# KiCad board PETER.kicad_pcb (continued)
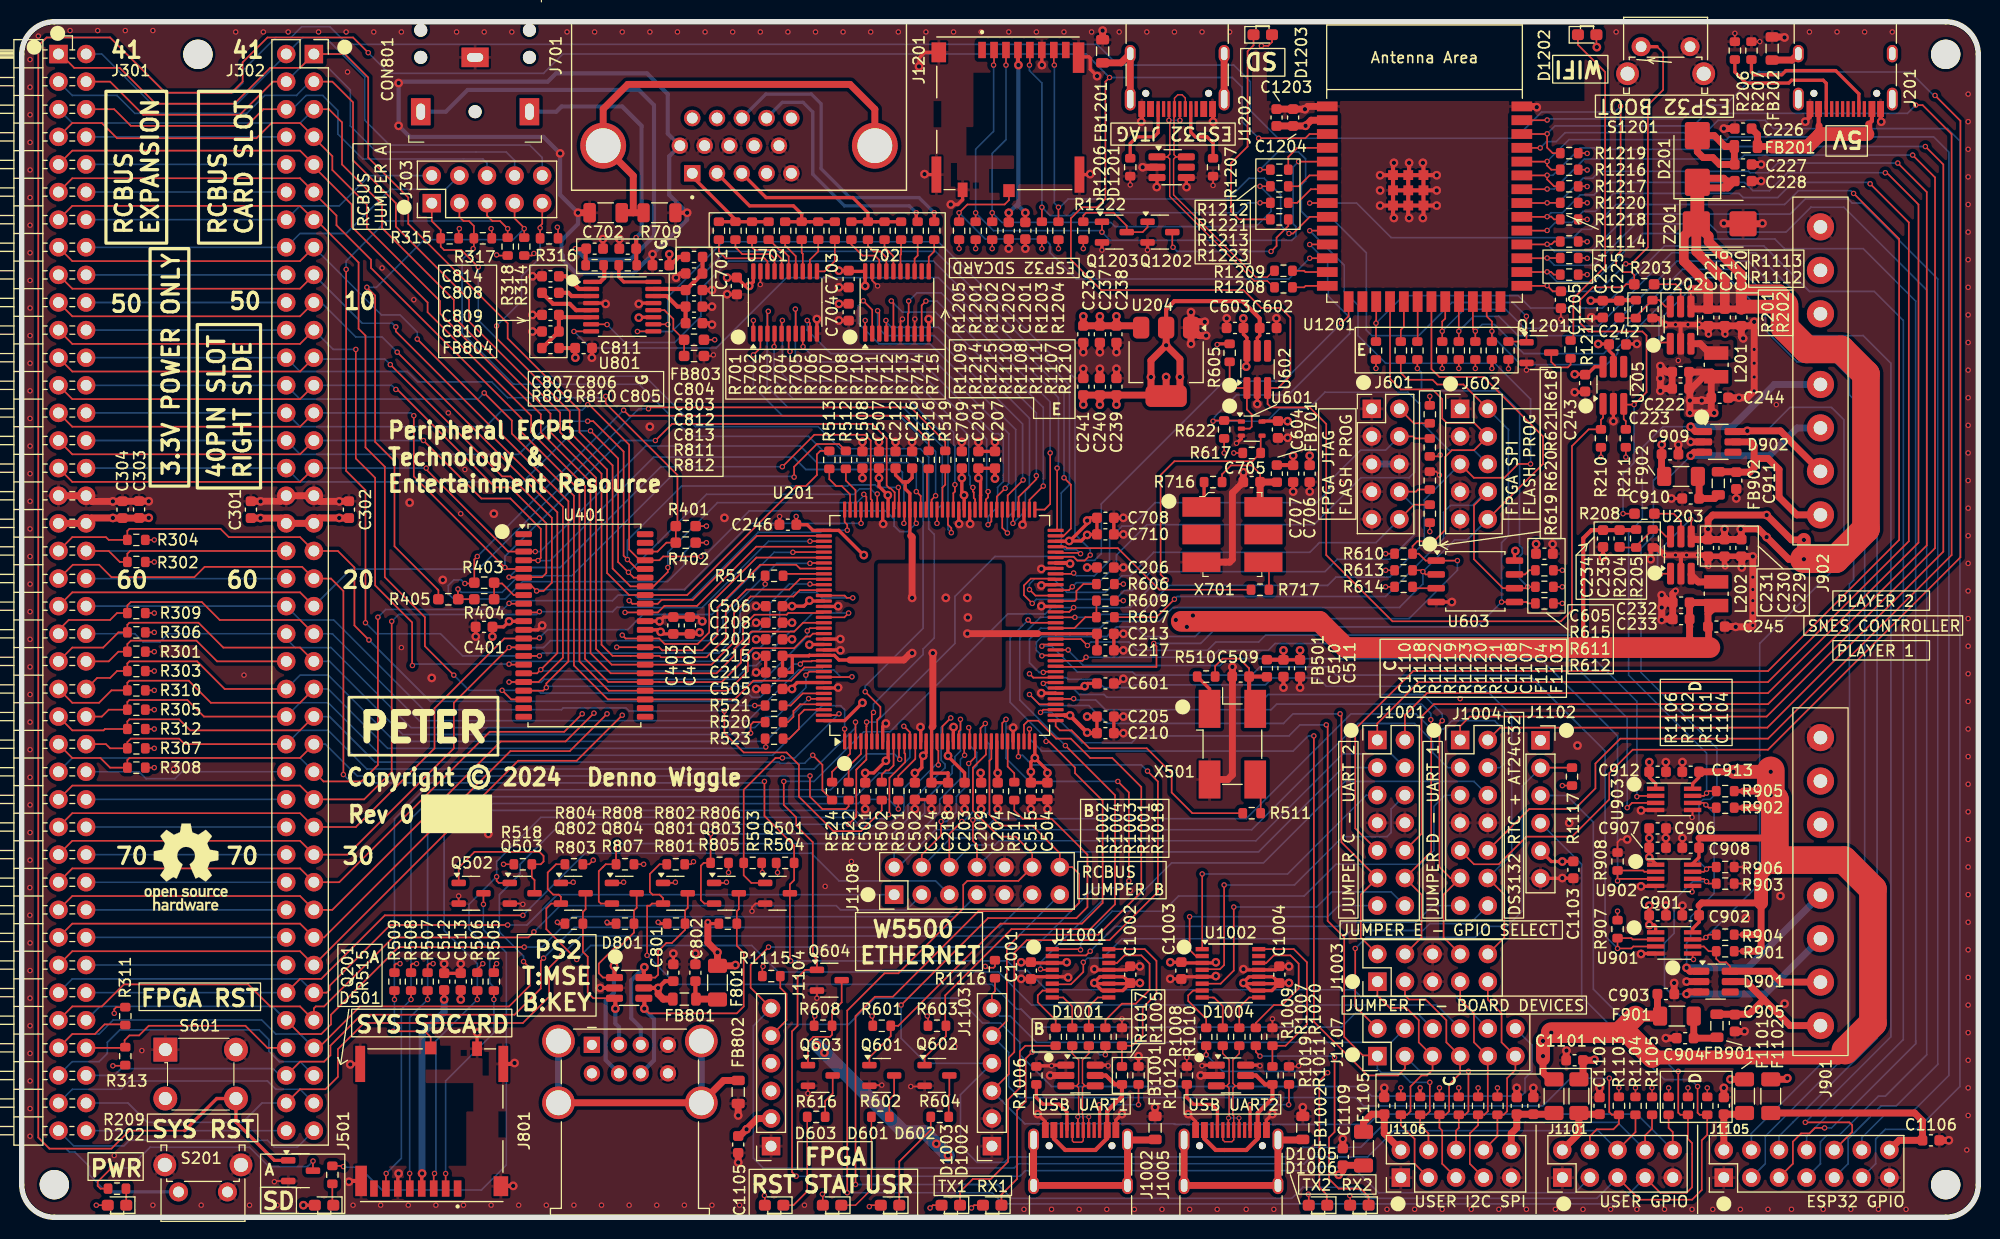
[diagram p0: board, top side]
## Placement (name value [footprint] x y rotation side) (continued)
R1004  33R  [R_0603_1608Metric]  96.65 16.6 90 top
R1005  5K1  [R_0603_1608Metric]  102.74 13.05 90 top
R1006  5K1  [R_0603_1608Metric]  93.35 13.05 90 top
R1007  1K00  [R_0603_1608Metric]  113.54 16.6 90 top
R1008  1K00  [R_0603_1608Metric]  108.97 16.6 90 top
R1009  33R  [R_0603_1608Metric]  112.02 16.6 90 top
R1010  33R  [R_0603_1608Metric]  110.49 16.6 90 top
R1011  5K1  [R_0603_1608Metric]  116.59 13.05 90 top
R1012  5K1  [R_0603_1608Metric]  107.19 13.05 90 top
R1017  5K1  [R_0603_1608Metric]  101.22 13.05 90 top
R1018  10K  [R_0603_1608Metric]  101.22 16.6 90 top
R1019  5K1  [R_0603_1608Metric]  115.06 13.05 90 top
R1020  10K  [R_0603_1608Metric]  115.06 16.6 90 top
R1101  2K00  [R_0603_1608Metric]  155.07 10.25 90 top
R1102  2K00  [R_0603_1608Metric]  153.29 10.25 90 top
R1103  10K  [R_0603_1608Metric]  146.94 10.25 90 top
R1104  10K  [R_0603_1608Metric]  148.46 10.25 90 top
R1105  10K  [R_0603_1608Metric]  149.99 10.25 90 top
R1106  10K  [R_0603_1608Metric]  151.51 10.25 90 top
R1107  10K  [R_0603_1608Metric]  135.26 79.75 270 top
R1108  10K  [R_0603_1608Metric]  132.21 79.75 270 top
R1109  10K  [R_0603_1608Metric]  124.59 79.75 270 top
R1110  10K  [R_0603_1608Metric]  130.68 79.75 270 top
R1111  10K  [R_0603_1608Metric]  133.73 79.75 270 top
R1112  10K  [R_0603_1608Metric]  142.37 86.73 0 top
R1113  10K  [R_0603_1608Metric]  142.37 88.26 0 top
R1114  10K  [R_0603_1608Metric]  142.37 89.78 0 top
R1115  10K  [R_0603_1608Metric]  68.96 22.19 180 top
R1116  10K  [R_0603_1608Metric]  89.54 22.83 90 top
R1117  10K  [R_0603_1608Metric]  142.62 40.54 270 top
R1118  10K  [R_0603_1608Metric]  126.87 10.26 90 top
R1119  10K  [R_0603_1608Metric]  130.43 10.26 90 top
R1120  10K  [R_0603_1608Metric]  133.99 10.25 90 top
R1121  10K  [R_0603_1608Metric]  135.76 10.25 90 top
R1122  10K  [R_0603_1608Metric]  128.65 10.25 90 top
R1123  10K  [R_0603_1608Metric]  132.21 10.25 90 top
R1201  4K02  [R_0603_1608Metric]  87.76 90.77 90 top
R1202  10K  [R_0603_1608Metric]  89.28 90.77 90 top
R1203  10K  [R_0603_1608Metric]  93.85 90.77 90 top
R1204  10K  [R_0603_1608Metric]  95.38 90.77 90 top
R1205  10K  [R_0603_1608Metric]  86.23 90.77 90 top
R1206  5K1  [R_0603_1608Metric]  101.98 96.61 270 top
R1207  5K1  [R_0603_1608Metric]  109.6 96.61 270 top
R1208  33R  [R_0603_1608Metric]  116.08 85.56 180 top
R1209  33R  [R_0603_1608Metric]  116.08 87.09 180 top
R1210  4K02  [R_0603_1608Metric]  136.78 79.75 90 top  (not fitted)
R1211  1K00  [R_0603_1608Metric]  142.5 79.85 270 top
R1212  33R  [R_0603_1608Metric]  115.7 96.39 180 top
R1213  33R  [R_0603_1608Metric]  115.7 93.34 180 top
R1214  33R  [R_0603_1608Metric]  126.87 79.75 270 top
R1215  33R  [R_0603_1608Metric]  128.4 79.75 270 top
R1216  10K  [R_0603_1608Metric]  142.37 96.39 0 top
R1217  10K  [R_0603_1608Metric]  142.37 94.86 0 top
R1218  10K  [R_0603_1608Metric]  142.37 91.81 0 top
R1219  10K  [R_0603_1608Metric]  142.37 97.91 0 top
R1220  10K  [R_0603_1608Metric]  142.37 93.34 0 top
R1221  33R  [R_0603_1608Metric]  115.7 94.86 180 top
R1222  4K02  [R_0603_1608Metric]  97.66 90.77 90 top
R1223  1K00  [R_0603_1608Metric]  115.7 91.81 0 top
S201  1-1825027-2  [SW_Tactile_SPST_Angled_PTS645Vx83-2LFS]  18.92 2.33 180 top
S601  1825910-6  [Switch_Tactile_THT_6x6mm]  13.21 15.43 0 top
S1201  1825027-8  [SW_Tactile_SPST_Angled_PTS645Vx83-2LFS]  148.98 107.71 0 top
U201  LFE5U-25F-7TG144C  [LQFP-144_20x20mm_P0.5mm]  84.46 54.45 90 top
U202  TPS62A02PDDCR  [TSOT-23-6_HandSoldering]  152.62 82.09 90 top
U203  TPS62A02PDDCR  [TSOT-23-6_HandSoldering]  152.64 60.93 90 top
U204  TLV1117LV25DCYR  [SOT-223]  105.28 78.71 270 top
U205  TPS3808EG33DBVR  [TSOT-23-6_HandSoldering]  146.43 76.55 90 top
U401  IS61WV20488BLL-10TLI  [TSOP-II-44_10.16x18.41mm_P0.8mm]  51.77 54.45 0 top
U601  74AHC1G09GW,125  [SOT-353_SC-70-5]  113.16 72.56 0 top
U602  TPS3808EG25DBVR  [TSOT-23-6_HandSoldering]  113.67 78.01 90 top
U603  W25Q128JVSIQ  [SOIC-8_5.23x5.23mm_P1.27mm]  133.73 58.51 0 top
U701  SN74LVC245APWR  [TSSOP-20_4.4x6.5mm_P0.65mm]  70.23 84.17 90 top
U702  SN74LVC245APWR  [TSSOP-20_4.4x6.5mm_P0.65mm]  80.52 84.17 90 top
U801  WM8524CGEDT  [TSSOP-16_4.4x5mm_P0.65mm]  55.25 83.79 0 top
U901  SN74LVC2T45DCTR  [SSOP-8_2.95x2.8mm_P0.65mm]  152.02 25.24 0 top
U902  SN74LVC2T45DCTR  [SSOP-8_2.95x2.8mm_P0.65mm]  152.02 31.46 0 top
U903  SN74LVC2T45DCTR  [SSOP-8_2.95x2.8mm_P0.65mm]  152.02 38.45 0 top
U1001  FT230XS-R  [SSOP-16_3.9x4.9mm_P0.635mm]  97.41 22.45 0 top
U1002  FT230XS-R  [SSOP-16_3.9x4.9mm_P0.635mm]  111.2 22.45 0 top
U1201  -  [ESP32-S3-WROOM-1-N8R2]  129.06 93.95 0 top
X501  50MHz 50PPM  [Oscillator_SMD_EuroQuartz_XO91-4Pin_7.0x5.0mm_HandSoldering]  111.38 43.53 270 top
X701  50.35MHz  [Oscillator_Renesas_XL_6pin_5x7mm_HandSolder]  111.38 62.82 270 top
Z201  SMBJ5.0A  [D_SMB]  156.21 91.41 0 top

## Library data of the parts
C201-C206 C211-C214 C226 C227 C238 C239 C242 C243 C302 C304 C401 C501 C502 C505-C507 C509 C510 C512 C515 C601-C605 C701 C703 C705 C706 C708 C709 C801-C803 C805 C809 C811 C901-C905 C907-C913 C1001-C1004 C1102-C1107 C1110 C1201 C1204 = -: Datasheet: https://www.yageo.com/upload/media/product/productsearch/datasheet/mlcc/UPY-GPHC_X7R_6.3V-to-250V_22.pdf; Description: CAP CER 0.1UF 50V X7R 0603; Digikey: 311-1344-1-ND; Dielectric: X7R; Voltage: 50V; MPN: CC0603KRX7R9BB104; Manufacturer: YAGEO; Footprint2: 0603; Tolerance: 10%; LCSC Part #: C14663; ki_fp_filters: C_*
C207-C210 C215-C218 C220 C223 C228 C230 C233 C236 C237 C240 C241 C244 C245 C301 C303 C508 C511 C513 C704 C707 C710 C804 C810 C906 C1109 C1202 C1203 = -: Datasheet: https://mm.digikey.com/Volume0/opasdata/d220001/medias/docus/2328/CL10A475KO8NNNC_Spec.pdf; Description: CAP CER 4.7UF 16V X5R 0603; Digikey: 1276-1784-1-ND; Dielectric: X5R; Voltage: 16V; Footprint2: 0603; MPN: CL10A475KO8NNNC; Manufacturer: Yaego; Tolerance: 10%; LCSC Part #: C19666; ki_fp_filters: C_*
C219 C224 C229 C234 C246 C402 = -: Datasheet: https://www.yageo.com/upload/media/product/productsearch/datasheet/mlcc/UPY-GPHC_X7R_6.3V-to-250V_22.pdf; Description: CAP CER 0.1UF 50V X7R 0603; Digikey: 311-1344-1-ND; Dielectric: X7R; Voltage: 50V; Footprint2: 0603; MPN: CC0603KRX7R9BB104; Manufacturer: YAGEO; Tolerance: 10%; LCSC Part #: C14663; ki_fp_filters: C_*
C221 C222 C231 C232 C403 C504 C1101 C1108 = -: Datasheet: https://mm.digikey.com/Volume0/opasdata/d220001/medias/docus/2328/CL10A475KO8NNNC_Spec.pdf; Description: CAP CER 4.7UF 16V X5R 0603; Digikey: 1276-1784-1-ND; Dielectric: X5R; Voltage: 16V; MPN: CL10A475KO8NNNC; Manufacturer: Yaego; Footprint2: 0603; Tolerance: 10%; LCSC Part #: C19666; ki_fp_filters: C_*
C225 C235 = -: Datasheet: https://connect.kemet.com:7667/gateway/IntelliData-ComponentDocumentation/1.0/download/datasheet/C0603C121J5GACAUTO; Description: CAP CER 120PF 50V C0G/NP0 0603; Digikey: 399-6857-1-ND; Dielectric: NPO; Voltage: 50V; MPN: C0603C121J5GACAUTO; Manufacturer: KEMET; Footprint2: 0603; Tolerance: 5%; ki_fp_filters: C_*
C702 = -: Datasheet: https://www.johansondielectrics.com/downloads/catalog/johanson-dielectrics-product-catalog.pdf; Description: CAP CER 1000PF 2KV X7R 1206; Digikey: 709-VPDD202W102K1GV001ECT-ND; Dielectric: X7R; Voltage: 2kV; MPN: VPDD202W102K1GV001E; Manufacturer: Johanson Dielectrics Inc.; Footprint2: 1206; ki_fp_filters: C_*
C806 C807 = -: Datasheet: https://www.yageo.com/upload/media/product/productsearch/datasheet/mlcc/UPY-GPHC_X7R_6.3V-to-250V_24.pdf; Description: CAP CER 2700PF 50V X7R 0603; Digikey: 311-1809-1-ND; Dielectric: X7R; Voltage: 50V; MPN: CC0603KRX7R9BB272; Manufacturer: YAGEO; Footprint2: 0603; Tolerance: 10%; LCSC Part #: C107085; ki_fp_filters: C_*
C808 C812-C814 = -: Datasheet: https://www.yageo.com/upload/media/product/productsearch/datasheet/mlcc/UPY-GPHC_X7R_6.3V-to-250V_24.pdf; Description: CAP CER 1UF 16V X7R 0603; Digikey: 311-1446-1-ND; Dielectric: X7R; Voltage: 16V; MPN: CC0603KRX7R7BB105; Manufacturer: YAGEO; Footprint2: 0603; Tolerance: 10%; LCSC Part #: C106248; ki_fp_filters: C_*
C1205 = -: Datasheet: https://www.yageo.com/upload/media/product/productsearch/datasheet/mlcc/UPY-GPHC_X7R_6.3V-to-250V_22.pdf; Description: CAP CER 0.1UF 16V X7R 0603; Digikey: 311-1088-1-ND; Dielectric: X7R; Voltage: 16V; Footprint2: 0603; MPN: CC0603KRX7R7BB104; Manufacturer: YAGEO; Tolerance: 10%; LCSC Part #: C108079; ki_fp_filters: C_*
CON801 = -: Datasheet: https://www.cui.com/product/resource/digikeypdf/sj1-352xn_series.pdf; Description: CONN JACK STEREO 3.5MM R/A; Digikey: CP1-3523N-ND; Category: Connectors, Interconnects; Family: Barrel - Audio Connectors; DK_Datasheet_Link: https://www.cui.com/product/resource/digikeypdf/sj1-352xn_series.pdf; DK_Detail_Page: /product-detail/en/cui-inc/SJ1-3523N/CP1-3523N-ND/738689; Manufacturer: CUI Inc.; Status: Active
D201 = -: Datasheet: https://mm.digikey.com/Volume0/opasdata/d220001/medias/docus/844/B320B-B360B_Rev10-2.pdf; Description: DIODE SCHOTTKY 20V 3A SMB; Manufacturer: Diodes Inc; Digikey: B320B-FDICT-ND; LCSC Part #: C134449; ki_fp_filters: D*DO?41*
D202 D501 D601-D603 D1002 D1003 D1005 D1006 D1202 D1203 = -: Datasheet: https://optoelectronics.liteon.com/upload/download/DS22-2000-226/LTST-S270KGKT.pdf; Description: LED 571NM GREEN CLEAR CHIP 0603 R/A; Digikey: 160-1478-1-ND; MPN: LTST-S270KGKT; Category: Optoelectronics; Family: LED Indication - Discrete; Manufacturer: Lite-On Inc.; LCSC Part #: C125113
D801 D901 D902 D1001 D1004 D1201 = -: Datasheet: https://www.semtech.com/uploads/documents/rclamp0504s.pdf; Description: TVS DIODE 5V 25V SOT23-6; MPN: RCLAMP0504S.TCT; Digi-Key_PN: RCLAMP0504SCT-ND; Category: Circuit Protection; Family: TVS - Diodes; DK_Datasheet_Link: https://www.semtech.com/uploads/documents/rclamp0504s.pdf; DK_Detail_Page: /product-detail/en/semtech-corporation/RCLAMP0504S.TCT/RCLAMP0504SCT-ND/1000961; Manufacturer: Semtech Corporation; Status: Active; LCSC Part #: C132260; Digikey: RCLAMP0504SCT-ND
F801 F901 F902 F1101-F1105 = -: Datasheet: https://www.yageo.com/upload/media/product/productsearch/datasheet/cpc/pptc/SMD1206_1.pdf; Description: PTC RESET FUSE 24V 200MA 1206; MPN: SMD1206B020TF/24; Manufacturer: YAGEO; Digikey: 13-SMD1206B020TF/24CT-ND; LCSC Part #: C269111; Current: 200mA; ki_fp_filters: *polyfuse* *PTC*
FB201 FB202 FB801 FB802 FB901 FB902 FB1001 FB1002 FB1201 = -: Datasheet: https://www.murata.com/en-us/products/en-us/products/productdata/8796738977822/ENFA0005.pdf; Description: FERRITE BEAD 120 OHM 0805 3A; Category: Filters; Family: Ferrite Beads and Chips; Manufacturer: Murata Electronics North America; Status: Active; Digikey: 490-5986-1-ND; LCSC Part #: C79382
FB501 FB701 FB803 FB804 = -: Datasheet: https://www.murata.com/en-us/products/productdata/8796738650142/ENFA0003.pdf; Description: FERRITE BEAD 600 OHM 0603 1LN; Category: Filters; Family: Ferrite Beads and Chips; DK_Datasheet_Link: https://www.murata.com/en-us/products/productdata/8796738650142/ENFA0003.pdf; DK_Detail_Page: /product-detail/en/murata-electronics-north-america/BLM18AG601SN1D/490-1014-1-ND/584462; Manufacturer: Murata Electronics North America; Status: Active; Digikey: 490-1014-1-ND; LCSC Part #: C19330
H1-H4 = -: ki_fp_filters: MountingHole*
J201 J1002 J1005 J1202 = -: Datasheet: https://www.usb.org/sites/default/files/documents/usb_type-c.zip; Description: CONN RCP USB2.0 TYP C 24P SMD RA; LCSC Part #: C167321; Mfg_1: Jing Extension of the Electronic Co.; Digikey: 2073-USB4105-GF-ACT-ND; Manufacturer: GCT; MPN: USB4105-GF-A; ki_fp_filters: USB*C*Receptacle*
J301 = -: Datasheet: https://www.te.com/usa-en/product-9-103795-0.datasheet.pdf; Description: CONN HEADER R/A 80POS 2.54MM; MPN: 9-103795-0; Digikey: A34274-40-ND; Manufacturer: TE Connectivity AMP Connectors; Alt MPN: TSW-140-08-T-D-RA; ki_fp_filters: Connector*:*_2x??_*
J302 = -: Description: Generic connector, double row, 02x40, top/bottom pin numbering scheme (row 1: 1...pins_per_row, row2: pins_per_row+1 ... num_pins), script generated (kicad-library-utils/schlib/autogen/connector/); ki_fp_filters: Connector*:*_2x??_*
J303 J601 J602 J1003 J1101 = -: Datasheet: https://app.adam-tech.com/products/download/data_sheet/200508/ph2ra-xx-ua-data-sheet.pdf; Description: CONN HEADER R/A 10POS 2.54MM; MPN: PH2RA-10-UA; Manufacturer: Adam Tech; Digikey: 2057-PH2RA-10-UA-ND; ki_fp_filters: Connector*:*_2x??_*
J501 J1201 = -: Datasheet: https://www.molex.com/content/dam/molex/molex-dot-com/products/automated/en-us/salesdrawingpdf/503/503398/5033981892_sd.pdf; Description: MICRO SD PUSH/PUSH GOLD SMALL 8C; Digikey: WM11190CT-ND; MPN: 5033981892; Manufacturer: Molex; LCSC Part #: C428492; ki_fp_filters: microSD*
J701 = -: Datasheet: https://cdn.amphenol-cs.com/media/wysiwyg/files/drawing/c-cd-0012.pdf; Description: CONN D-SUB HD RCPT 15P R/A SLDR; Digikey: 609-5181-ND; Manufacturer: Amphenol ICC (FCI); ki_fp_filters: DSUB*Female*
J801 = -: Datasheet: https://www.we-online.com/components/products/datasheet/61400826021.pdf; Description: CONN RCPT USB2.0 TYPEA STACK R/A; Digikey: 732-2107-ND; Manufacturer: Würth Elektronik; MPN: 61400826021; ki_fp_filters: USB*
J1001 J1004 J1105 J1108 = -: Datasheet: https://app.adam-tech.com/products/download/data_sheet/202065/ph2-xx-ua-data-sheet.pdf; Description: CONN HEADER VERT 14POS 2.54MM; Manufacturer: Adam Tech; Digikey: 2057-PH2-14-UA-ND; MPN: PH2-14-UA; ki_fp_filters: Connector*:*_2x??_*
J1102-J1104 = -: Datasheet: https://cdn.amphenol-cs.com/media/wysiwyg/files/drawing/75915.pdf; Description: CONN RCPT 6POS 0.1 GOLD PCB; MPN: 75915-306LF; Manufacturer: Amphenol ICC (FCI); Digikey: 609-3558-ND; ki_fp_filters: Connector*:*_1x??_*
J1106 = -: Datasheet: https://app.adam-tech.com/products/download/data_sheet/200508/ph2ra-xx-ua-data-sheet.pdf; Description: CONN HEADER R/A 10POS 2.54MM; Digikey: 2057-PH2RA-10-UA-ND; MPN: PH2RA-10-UA; Manufacturer: Adam Tech; ki_fp_filters: Connector*:*_2x??_*
J1107 = -: Datasheet: https://app.adam-tech.com/products/download/data_sheet/202065/ph2-xx-ua-data-sheet.pdf; Description: CONN HEADER VERT 12POS 2.54MM; Digikey: 2057-PH2-12-UA-ND; MPN: PH2-12-UA; Manufacturer: Adam Tech; ki_fp_filters: Connector*:*_2x??_*
L201 L202 = -: Datasheet: https://www.murata.com/~/media/webrenewal/products/inductor/chip/tokoproducts/wirewoundmetalalloychiptype/m_dfe252012f.ashx; Description: FIXED IND 1UH 3.3A 0.04OHM SMD; MPN: DFE252012F-1R0M=P2; Digikey: 490-13053-1-ND; LCSC Part #: C435392; Manufacturer: Murata Electronics; Value2: 1uH
Q201 Q501-Q503 Q601-Q604 Q1201-Q1203 = -: Datasheet: http://www.onsemi.com/pub/Collateral/DTC114E-D.PDF; Description: TRANS PREBIAS NPN 246MW SOT23-3; Digikey: MMUN2211LT1GOSCT-ND; Category: Discrete Semiconductor Products; Family: Transistors - Bipolar (BJT) - Single, Pre-Biased; Manufacturer: ON Semiconductor; Status: Active; LCSC Part #: C55059
Q801-Q804 = -: Datasheet: https://www.onsemi.com/pub/Collateral/BSS138-D.PDF; Description: MOSFET N-CH 50V 220MA SOT-23; Digikey: BSS138CT-ND; Category: Discrete Semiconductor Products; Family: Transistors - FETs, MOSFETs - Single; Manufacturer: ON Semiconductor; Status: Active; LCSC Part #: C52895; Digi-Key_PN: BSS138CT-ND; DK_Datasheet_Link: https://www.onsemi.com/pub/Collateral/BSS138-D.PDF; DK_Detail_Page: /product-detail/en/on-semiconductor/BSS138/BSS138CT-ND/244294
R201 = -: Datasheet: https://www.yageo.com/upload/media/product/productsearch/datasheet/rchip/PYu-RC_Group_51_RoHS_L_12.pdf; Description: RES 45.3K OHM 1% 1/10W 0603; Tolerance: 1%; Footprint2: 0603; MPN: RC0603FR-0745K3L; Manufacturer: YAGEO; Digikey: 311-45.3KHRCT-ND; LCSC Part #: C245971; ki_fp_filters: R_*
R202 R204 R210 R211 R301-R318 R506-R510 R605 R606 R611-R615 R622 R716 R801-R808 R901-R908 R1018 R1020 R1103-R1123 R1202-R1205 R1216-R1220 = -: Datasheet: https://www.yageo.com/upload/media/product/productsearch/datasheet/rchip/PYu-RC_Group_51_RoHS_L_12.pdf; Description: RES 10K OHM 1% 1/10W 0603; Tolerance: 1%; Footprint2: 0603; MPN: RC0603FR-0710KL; Manufacturer: Yaego; Digikey: 311-10.0KHRCT-ND; LCSC Part #: C98220; ki_fp_filters: R_*
R203 R208 R401-R405 R519-R524 R811 R812 = -: Datasheet: https://www.yageo.com/upload/media/product/productsearch/datasheet/rchip/PYu-RC_Group_51_RoHS_L_12.pdf; Description: RES 0 OHM 5% 1/10W 0603; Tolerance: 5%; Footprint2: 0603; MPN: RC0603JR-070RL; Manufacturer: Yaego; Digikey: 311-0.0GRCT-ND; LCSC Part #: C95177; ki_fp_filters: R_*
R205 = -: Datasheet: https://www.yageo.com/upload/media/product/productsearch/datasheet/rchip/PYu-RC_Group_51_RoHS_L_12.pdf; Description: RES 12K OHM 1% 1/10W 0603; Tolerance: 1%; Footprint2: 0603; MPN: RC0603FR-0712KL; Manufacturer: Yaego; Digikey: 311-12.0KHRCT-ND; LCSC Part #: C114659; ki_fp_filters: R_*
R206 R207 R1005 R1006 R1011 R1012 R1206 R1207 = -: Datasheet: https://www.yageo.com/upload/media/product/productsearch/datasheet/rchip/PYu-RC_Group_51_RoHS_L_12.pdf; Description: RES 5.1K OHM 1% 1/10W 0603; Tolerance: 1%; Footprint2: 0603; MPN: RC0603FR-075K1L; Manufacturer: Yaego; Digikey: 311-5.10KHRCT-ND; LCSC Part #: C105580; ki_fp_filters: R_*
R209 R515 R602 R604 R609 R616 R703 R707 R712 R1001 R1002 R1007 R1008 R1211 R1223 = -: Datasheet: https://www.yageo.com/upload/media/product/productsearch/datasheet/rchip/PYu-RC_Group_51_RoHS_L_12.pdf; Description: RES 1K OHM 1% 1/10W 0603; Tolerance: 1%; Footprint2: 0603; MPN: RC0603FR-071KL; Manufacturer: Yaego; Digikey: 311-1.00KHRCT-ND; LCSC Part #: C22548; ki_fp_filters: R_*
R501 R502 R512-R514 R516 R517 R607 R714 R715 R1003 R1004 R1009 R1010 R1208 R1209 R1212-R1215 R1221 = -: Datasheet: https://www.yageo.com/upload/media/product/productsearch/datasheet/rchip/PYu-RC_Group_51_RoHS_L_12.pdf; Description: RES 33 OHM 5% 1/10W 0603; Tolerance: 5%; Footprint2: 0603; MPN: RC0603JR-0733RL; Manufacturer: Yaego; Digikey: 311-33GRCT-ND; LCSC Part #: C108407; ki_fp_filters: R_*
R503-R505 R518 R601 R603 R608 R610 R617-R621 R701 R705 R710 R1201 R1222 = -: Datasheet: https://www.yageo.com/upload/media/product/productsearch/datasheet/rchip/PYu-RC_Group_51_RoHS_L_12.pdf; Description: RES 4.02K OHM 1% 1/10W 0603; Tolerance: 1%; Footprint2: 0603; MPN: RC0603FR-074K02L; Manufacturer: Yaego; Digikey: 311-4.02KHRCT-ND; LCSC Part #: C844790; ki_fp_filters: R_*
R511 R717 = -: Datasheet: https://www.yageo.com/upload/media/product/productsearch/datasheet/rchip/PYu-RC_Group_51_RoHS_L_12.pdf; Description: RES 33 OHM 5% 1/10W 0603; Tolerance: 1%; Footprint2: 0603; MPN: RC0603JR-0733RL; Manufacturer: Yaego; Digikey: 311-33GRCT-ND; LCSC Part #: C108407; ki_fp_filters: R_*
R702 R706 R711 R1101 R1102 = -: Datasheet: https://www.yageo.com/upload/media/product/productsearch/datasheet/rchip/PYu-RC_Group_51_RoHS_L_12.pdf; Description: RES 2K OHM 1% 1/10W 0603; Tolerance: 1%; Footprint2: 0603; MPN: RC0603FR-072KL; Manufacturer: Yaego; Digikey: 311-2.00KHRCT-ND; LCSC Part #: C105576; ki_fp_filters: R_*
R704 R708 R713 R809 R810 = -: Datasheet: https://www.yageo.com/upload/media/product/productsearch/datasheet/rchip/PYu-RC_Group_51_RoHS_L_12.pdf; Description: RES 1K OHM 1% 1/10W 0603; Tolerance: 1%; Footprint2: 0603; MPN: RC0603FR-07499RL; Manufacturer: Yaego; Digikey: RC0603FR-07499RL; LCSC Part #: C137714; ki_fp_filters: R_*
R709 = -: Datasheet: https://www.yageo.com/upload/media/product/productsearch/datasheet/rchip/PYu-RC_Group_51_RoHS_L_12.pdf; Description: RES 1M OHM 5% 1/4W 1206; Tolerance: 5%; Footprint2: 1206; MPN: RC1206JR-071ML; Manufacturer: YAGEO; Digikey: 311-1.0MERCT-ND; LCSC Part #: C148194; ki_fp_filters: R_*
R1017 R1019 = -: Datasheet: https://www.yageo.com/upload/media/product/productsearch/datasheet/rchip/PYu-RC_Group_51_RoHS_L_12.pdf; Description: RES 4.02K OHM 1% 1/10W 0603; Tolerance: 1%; Footprint2: 0603; MPN: RC0603FR-074K02L; Manufacturer: Yaego; Digikey: 311-5.10KHRCT-ND; LCSC Part #: C105580; ki_fp_filters: R_*
R1210 = -: Datasheet: https://www.yageo.com/upload/media/product/productsearch/datasheet/rchip/PYu-RC_Group_51_RoHS_L_12.pdf; Description: RES 4.02K OHM 1% 1/10W 0603; Tolerance: 1%; Footprint2: 0603; MPN: RC0603FR-074K02L; Manufacturer: Yaego; Digikey: 311-4.02KHRCT-ND; LCSC Part #: C141679; ki_fp_filters: R_*
S201 = -: Datasheet: https://www.te.com/commerce/DocumentDelivery/DDEController?Action=showdoc&DocId=Customer+Drawing%7F1825027%7FH1%7Fpdf%7FEnglish%7FENG_CD_1825027_H1.pdf%7F1-1825027-2; Description: SWITCH TACTILE SPST-NO RIGHT-ANGLE 0.05A 24V; Category: Switches; Digi-Key_PN: 1-1825027-2-ND; Digikey: 1-1825027-2-ND; Family: Tactile Switches; Manufacturer: TE Connectivity ALCOSWITCH Switches; Status: Active
S601 = -: Datasheet: https://www.te.com/commerce/DocumentDelivery/DDEController?Action=srchrtrv&DocNm=1825910&DocType=Customer+Drawing&DocLang=English; Description: SWITCH TACTILE SPST-NO 0.05A 24V; Digi-Key_PN: 450-1650-ND; Category: Switches; Family: Tactile Switches; DK_Datasheet_Link: https://www.te.com/commerce/DocumentDelivery/DDEController?Action=srchrtrv&DocNm=1825910&DocType=Customer+Drawing&DocLang=English; DK_Detail_Page: /product-detail/en/te-connectivity-alcoswitch-switches/1825910-6/450-1650-ND/1632536; Manufacturer: TE Connectivity ALCOSWITCH Switches; Status: Active; Digikey: 450-1650-ND
S1201 = -: Datasheet: https://www.te.com/commerce/DocumentDelivery/DDEController?Action=showdoc&DocId=Customer+Drawing%7F1825027%7FH1%7Fpdf%7FEnglish%7FENG_CD_1825027_H1.pdf%7F1825027-8; Description: SWITCH TACTILE SPST-NO RIGHT-ANGLE 0.05A 24V; Category: Switches; Digi-Key_PN: 450-1657-ND; Digikey: 450-1657-ND; Family: Tactile Switches; Manufacturer: TE Connectivity ALCOSWITCH Switches; Status: Active
U201 = -: Datasheet: https://www.latticesemi.com/view_document?document_id=50461; Description: ECP5 Field Programmable Gate Array (FPGA) IC 98 1032192 24000 144-LQFP; Digikey: 220-LFE5U-25F-7TG144C-ND; Manufacturer: Lattice; LCSC Part #: C19979189
U202 U203 = -: Datasheet: https://www.ti.com/product/TPS62A02; Description: High Efficiency Synchronous Buck Converter, Adjustable Output 0.6V-5.5V, 1A, SOT-23-5; Digikey: 296-TPS62A02PDDCRCT-ND; Manufacturer: Texas Instruments; ki_fp_filters: SOT?23*
U204 = -: Datasheet: https://www.ti.com/lit/gpn/TLV1117LV; Description: IC REG LINEAR 2.5V 1A SOT223-4; Manufacturer: Texas Instruments; Status: Active; Digikey: 296-39254-1-ND; LCSC Part #: C507263
U205 = -: Datasheet: http://www.ti.com/general/docs/suppproductinfo.tsp?distId=10&gotoUrl=http%3A%2F%2Fwww.ti.com%2Flit%2Fgpn%2Ftps3808; Description: IC VOLT SUPERVISOR 3.3V SOT23-6; Digikey: 296-TPS3808EG33DBVRTR-ND; Category: Integrated Circuits (ICs); Family: PMIC - Supervisors; Manufacturer: Texas Instruments; Status: Active; LCSC Part #: C43698
U401 = -: Datasheet: https://www.issi.com/WW/pdf/61-64WV20488.pdf; Description: SRAM - Asynchronous Memory IC 16Mbit Parallel 10 ns 44-TSOP II; Manufacturer: ISSI; Digikey: 706-1294-ND; LCSC: C412835; ki_fp_filters: TSOP*10.16x18.41mm*P0.8mm*
U601 = -: Datasheet: https://assets.nexperia.com/documents/data-sheet/74AHC1G09.pdf; Description: IC GATE AND 1CH 2-INP OPEN DRAIN 5TSSOP; Digikey: 1727-6017-1-ND; Manufacturer: Nexperia USA Inc.; Status: Active; LCSC Part #: C730245
U602 = -: Datasheet: http://www.ti.com/general/docs/suppproductinfo.tsp?distId=10&gotoUrl=http%3A%2F%2Fwww.ti.com%2Flit%2Fgpn%2Ftps3808; Description: IC VOLT SUPERVISOR 2.5V SOT23-6; Digikey: 296-TPS3808EG25DBVRCT-ND; Category: Integrated Circuits (ICs); Family: PMIC - Supervisors; Manufacturer: Texas Instruments; Status: Active
U603 = -: Datasheet: http://www.winbond.com/resource-files/w25q32jv%20revg%2003272018%20plus.pdf; Description: IC FLASH 128MBIT SPI/QUAD 8SOIC; Manufacturer: Winbond Electronics; Digikey: W25Q128JVSIQ-ND; LCSC Part #: C97521; ki_fp_filters: SOIC*5.23x5.23mm*P1.27mm*
U701 U702 = -: Datasheet: http://www.ti.com/lit/ds/symlink/sn74lvc245a.pdf; Description: IC TXRX NON-INVERT 3.6V 20TSSOP; Manufacturer: Texas Instruments; Digikey: 296-1233-1-ND; LCSC Part #: C7848
U801 = -: Datasheet: https://d3uzseaevmutz1.cloudfront.net/pubs/proDatasheet/WM8524_v4.1.pdf; Description: IC DAC/AUDIO 24BIT 192K 16TSSOP; Manufacturer: Cirrus Logic Inc; Digikey: 598-2458-ND
U901-U903 = -: Datasheet: http://www.ti.com/lit/ds/symlink/sn74lvc2t45.pdf; Description: IC TRANSLATOR BIDIRECTIONAL 420MBPS SM8; Digikey: 296-16845-1-ND; Manufacturer: Texas Instruments; LCSC Part #: C22672; ki_fp_filters: VSSOP*2.4x2.1mm*P0.5mm*
U1001 U1002 = -: Datasheet: http://www.ftdichip.com/Support/Documents/DataSheets/ICs/DS_FT230X.pdf; Description: IC USB SERIAL BASIC UART 16SSOP; Digi-Key_PN: 768-1135-1-ND; Category: Integrated Circuits (ICs); Family: Interface - Controllers; DK_Datasheet_Link: http://www.ftdichip.com/Support/Documents/DataSheets/ICs/DS_FT230X.pdf; DK_Detail_Page: /product-detail/en/ftdi-future-technology-devices-international-ltd/FT230XS-R/768-1135-1-ND/3029155; Manufacturer: FTDI, Future Technology Devices International Ltd; Status: Active; LCSC Part #: C69082; Digikey: 768-1135-1-ND
U1201 = -: Datasheet: https://www.espressif.com/sites/default/files/documentation/esp32-s3-wroom-1_wroom-1u_datasheet_en.pdf; Description: RF TXRX MODULE WIFI PCB TRACE; Digikey: 1965-ESP32-S3-WROOM-1-N8R2-ND; Manufacturer: Espressif; LCSC Part #: C2913204
X501 = -: Datasheet: https://ecsxtal.com/store/pdf/ECS-7050MV.pdf; Description: XTAL OSC XO 50MHZ HCMOS SMD 50PPM; MPN: ECS-7050MV-500-BN-TR; Digikey: 50-ECS-7050MV-500-BN-CT-ND; Manufacturer: ECS Inc.; Mouser: 520-ECS7050MV500BNTR; ki_fp_filters: Oscillator*SMD*ECS*2520MV*2.5x2.0mm*
X701 = -: Datasheet: https://www.renesas.com/us/en/document/dst/xl-family-low-phase-noise-quartz-based-pll-oscillators-datasheet; Description: XTAL OSC XO 50.3500MHZ HCMOS SMD 100PPM; MPN: XLH730050.350000X; Category: Crystals, Oscillators, Resonators; Family: Oscillators; Manufacturer: Renesas Electronics Corporation; Status: Active; Digikey: XLH730050.350000X-ND; Mouser: 972-LH730050.350000X; Tolerance: 100ppm
Z201 = -: Datasheet: https://www.littelfuse.com/~/media/electronics/datasheets/tvs_diodes/littelfuse_tvs_diode_smbj_datasheet.pdf; Description: TVS DIODE 5VWM 9.2VC DO214AA; Digikey: SMBJ5.0ALFCT-ND; Category: Discrete Semiconductor Products; Family: Diodes - Zener - Single; Manufacturer: Littlefuse; Status: Active; LCSC Part #: C110528

## Footprints (pads in the part's own frame, mm; a bottom-side part is the same pattern mirrored in y, then rotated)
AMPHENOL_ICD15S13E4GX00LF
  rect 1.508x1.508 hole 1: 1(4.305,2.54)
  round 1.508 hole 1: 2(2.025,2.54) 3(-0.255,2.54) 4(-2.535,2.54) 5(-4.815,2.54) 6(5.445,0) 7(3.165,0) 8(0.885,0) 9(-1.395,0) 10(-3.675,0) 11(4.305,-2.54) 12(2.025,-2.54) 13(-0.255,-2.54) 14(-2.535,-2.54) 15(-4.815,-2.54)
  round 4.216 hole 3.2: S1(-12.495,0) S2(12.495,0)
C_0603_1608Metric
  rrect 0.9x0.95 smd: 1(-0.775,0) 2(0.775,0)
C_1206_3216Metric
  rrect 1.15x1.8 smd: 1(-1.475,0) 2(1.475,0)
D_SMB
  rrect 2.5x2.3 smd: 1(-2.15,0) 2(2.15,0)
ESP32-S3-WROOM-1-N8R2
  rect 1.9x0.9 smd: 1(-8.95,8.26) 2(-8.95,6.99) 3(-8.95,5.72) 4(-8.95,4.45) 5(-8.95,3.18) 6(-8.95,1.91) 7(-8.95,0.64) 8(-8.95,-0.63) 9(-8.95,-1.9) 10(-8.95,-3.17) 11(-8.95,-4.44) 12(-8.95,-5.71) 13(-8.95,-6.98) 14(-8.95,-8.25) 27(8.95,-8.25) 28(8.95,-6.98) 29(8.95,-5.71) 30(8.95,-4.44) 31(8.95,-3.17) 32(8.95,-1.9) 33(8.95,-0.63) 34(8.95,0.64) 35(8.95,1.91) 36(8.95,3.18) 37(8.95,4.45) 38(8.95,5.72) 39(8.95,6.99) 40(8.95,8.26)
  rect 0.9x1.9 smd: 15(-6.985,-9.7) 16(-5.715,-9.7) 17(-4.445,-9.7) 18(-3.175,-9.7) 19(-1.905,-9.7) 20(-0.635,-9.7) 21(0.635,-9.7) 22(1.905,-9.7) 23(3.175,-9.7) 24(4.445,-9.7) 25(5.715,-9.7) 26(6.985,-9.7)
  rect 0.9x0.9 smd: 41(-2.9,1.94) 41(-2.9,0.54) 41(-2.9,-0.86) 41(-1.5,1.94) 41(-1.5,0.54) 41(-1.5,-0.86) 41(-0.1,1.94) 41(-0.1,0.54) 41(-0.1,-0.86)
Headphone_Jack_3.5mm_SJ1-3523N
  round 1.2 hole 1.2 unplated: (-7.5,5) (-7.5,-5) (-5,5) (-5,-5) (0,0)
  rect 1.8x2.5 hole 0.8x1.5: 1(-5,0)
  rect 2.5x1.8 hole 1.5x0.8: 2(0,-5) 3(0,5)
INDC2520X120N
  rect 1.24x2.22 smd: 1(-1.09,0) 2(1.09,0)
L_0603_1608Metric
  rrect 0.875x0.95 smd: 1(-0.787,0) 2(0.787,0)
L_0805_2012Metric
  rrect 0.875x1.2 smd: 1(-1.062,0) 2(1.062,0)
LQFP-144_20x20mm_P0.5mm
  rrect 1.475x0.3 smd: 1(-10.662,8.75) 2(-10.662,8.25) 3(-10.662,7.75) 4(-10.662,7.25) 5(-10.662,6.75) 6(-10.662,6.25) 7(-10.662,5.75) 8(-10.662,5.25) 9(-10.662,4.75) 10(-10.662,4.25) 11(-10.662,3.75) 12(-10.662,3.25) 13(-10.662,2.75) 14(-10.662,2.25) 15(-10.662,1.75) 16(-10.662,1.25) 17(-10.662,0.75) 18(-10.662,0.25) 19(-10.662,-0.25) 20(-10.662,-0.75) 21(-10.662,-1.25) 22(-10.662,-1.75) 23(-10.662,-2.25) 24(-10.662,-2.75) 25(-10.662,-3.25) 26(-10.662,-3.75) 27(-10.662,-4.25) 28(-10.662,-4.75) 29(-10.662,-5.25) 30(-10.662,-5.75) 31(-10.662,-6.25) 32(-10.662,-6.75) 33(-10.662,-7.25) 34(-10.662,-7.75) 35(-10.662,-8.25) 36(-10.662,-8.75) 73(10.662,-8.75) 74(10.662,-8.25) 75(10.662,-7.75) 76(10.662,-7.25) 77(10.662,-6.75) 78(10.662,-6.25) 79(10.662,-5.75) 80(10.662,-5.25) 81(10.662,-4.75) 82(10.662,-4.25) 83(10.662,-3.75) 84(10.662,-3.25) 85(10.662,-2.75) 86(10.662,-2.25) 87(10.662,-1.75) 88(10.662,-1.25) 89(10.662,-0.75) 90(10.662,-0.25) 91(10.662,0.25) 92(10.662,0.75) 93(10.662,1.25) 94(10.662,1.75) 95(10.662,2.25) 96(10.662,2.75) 97(10.662,3.25) 98(10.662,3.75) 99(10.662,4.25) 100(10.662,4.75) 101(10.662,5.25) 102(10.662,5.75) 103(10.662,6.25) 104(10.662,6.75) 105(10.662,7.25) 106(10.662,7.75) 107(10.662,8.25) 108(10.662,8.75)
  rrect 0.3x1.475 smd: 37(-8.75,-10.662) 38(-8.25,-10.662) 39(-7.75,-10.662) 40(-7.25,-10.662) 41(-6.75,-10.662) 42(-6.25,-10.662) 43(-5.75,-10.662) 44(-5.25,-10.662) 45(-4.75,-10.662) 46(-4.25,-10.662) 47(-3.75,-10.662) 48(-3.25,-10.662) 49(-2.75,-10.662) 50(-2.25,-10.662) 51(-1.75,-10.662) 52(-1.25,-10.662) 53(-0.75,-10.662) 54(-0.25,-10.662) 55(0.25,-10.662) 56(0.75,-10.662) 57(1.25,-10.662) 58(1.75,-10.662) 59(2.25,-10.662) 60(2.75,-10.662) 61(3.25,-10.662) 62(3.75,-10.662) 63(4.25,-10.662) 64(4.75,-10.662) 65(5.25,-10.662) 66(5.75,-10.662) 67(6.25,-10.662) 68(6.75,-10.662) 69(7.25,-10.662) 70(7.75,-10.662) 71(8.25,-10.662) 72(8.75,-10.662) 109(8.75,10.662) 110(8.25,10.662) 111(7.75,10.662) 112(7.25,10.662) 113(6.75,10.662) 114(6.25,10.662) 115(5.75,10.662) 116(5.25,10.662) 117(4.75,10.662) 118(4.25,10.662) 119(3.75,10.662) 120(3.25,10.662) 121(2.75,10.662) 122(2.25,10.662) 123(1.75,10.662) 124(1.25,10.662) 125(0.75,10.662) 126(0.25,10.662) 127(-0.25,10.662) 128(-0.75,10.662) 129(-1.25,10.662) 130(-1.75,10.662) 131(-2.25,10.662) 132(-2.75,10.662) 133(-3.25,10.662) 134(-3.75,10.662) 135(-4.25,10.662) 136(-4.75,10.662) 137(-5.25,10.662) 138(-5.75,10.662) 139(-6.25,10.662) 140(-6.75,10.662) 141(-7.25,10.662) 142(-7.75,10.662) 143(-8.25,10.662) 144(-8.75,10.662)
